# Altium PCB PCB_v4.PcbDoc (part 4 of 7)
Units mm, origin at the board's own origin, x right, y up, seen from the top; angles counter-clockwise.
Board outline 171.45 x 152.4 mm, 6 copper layers (Top Layer, Int1 (GND), Int2 (Sign), Int3 (Sign), Int4 (PWR), Bottom Layer), stack 1.551 mm thick; 408 components, 505 nets, 2356 pads, 897 vias.
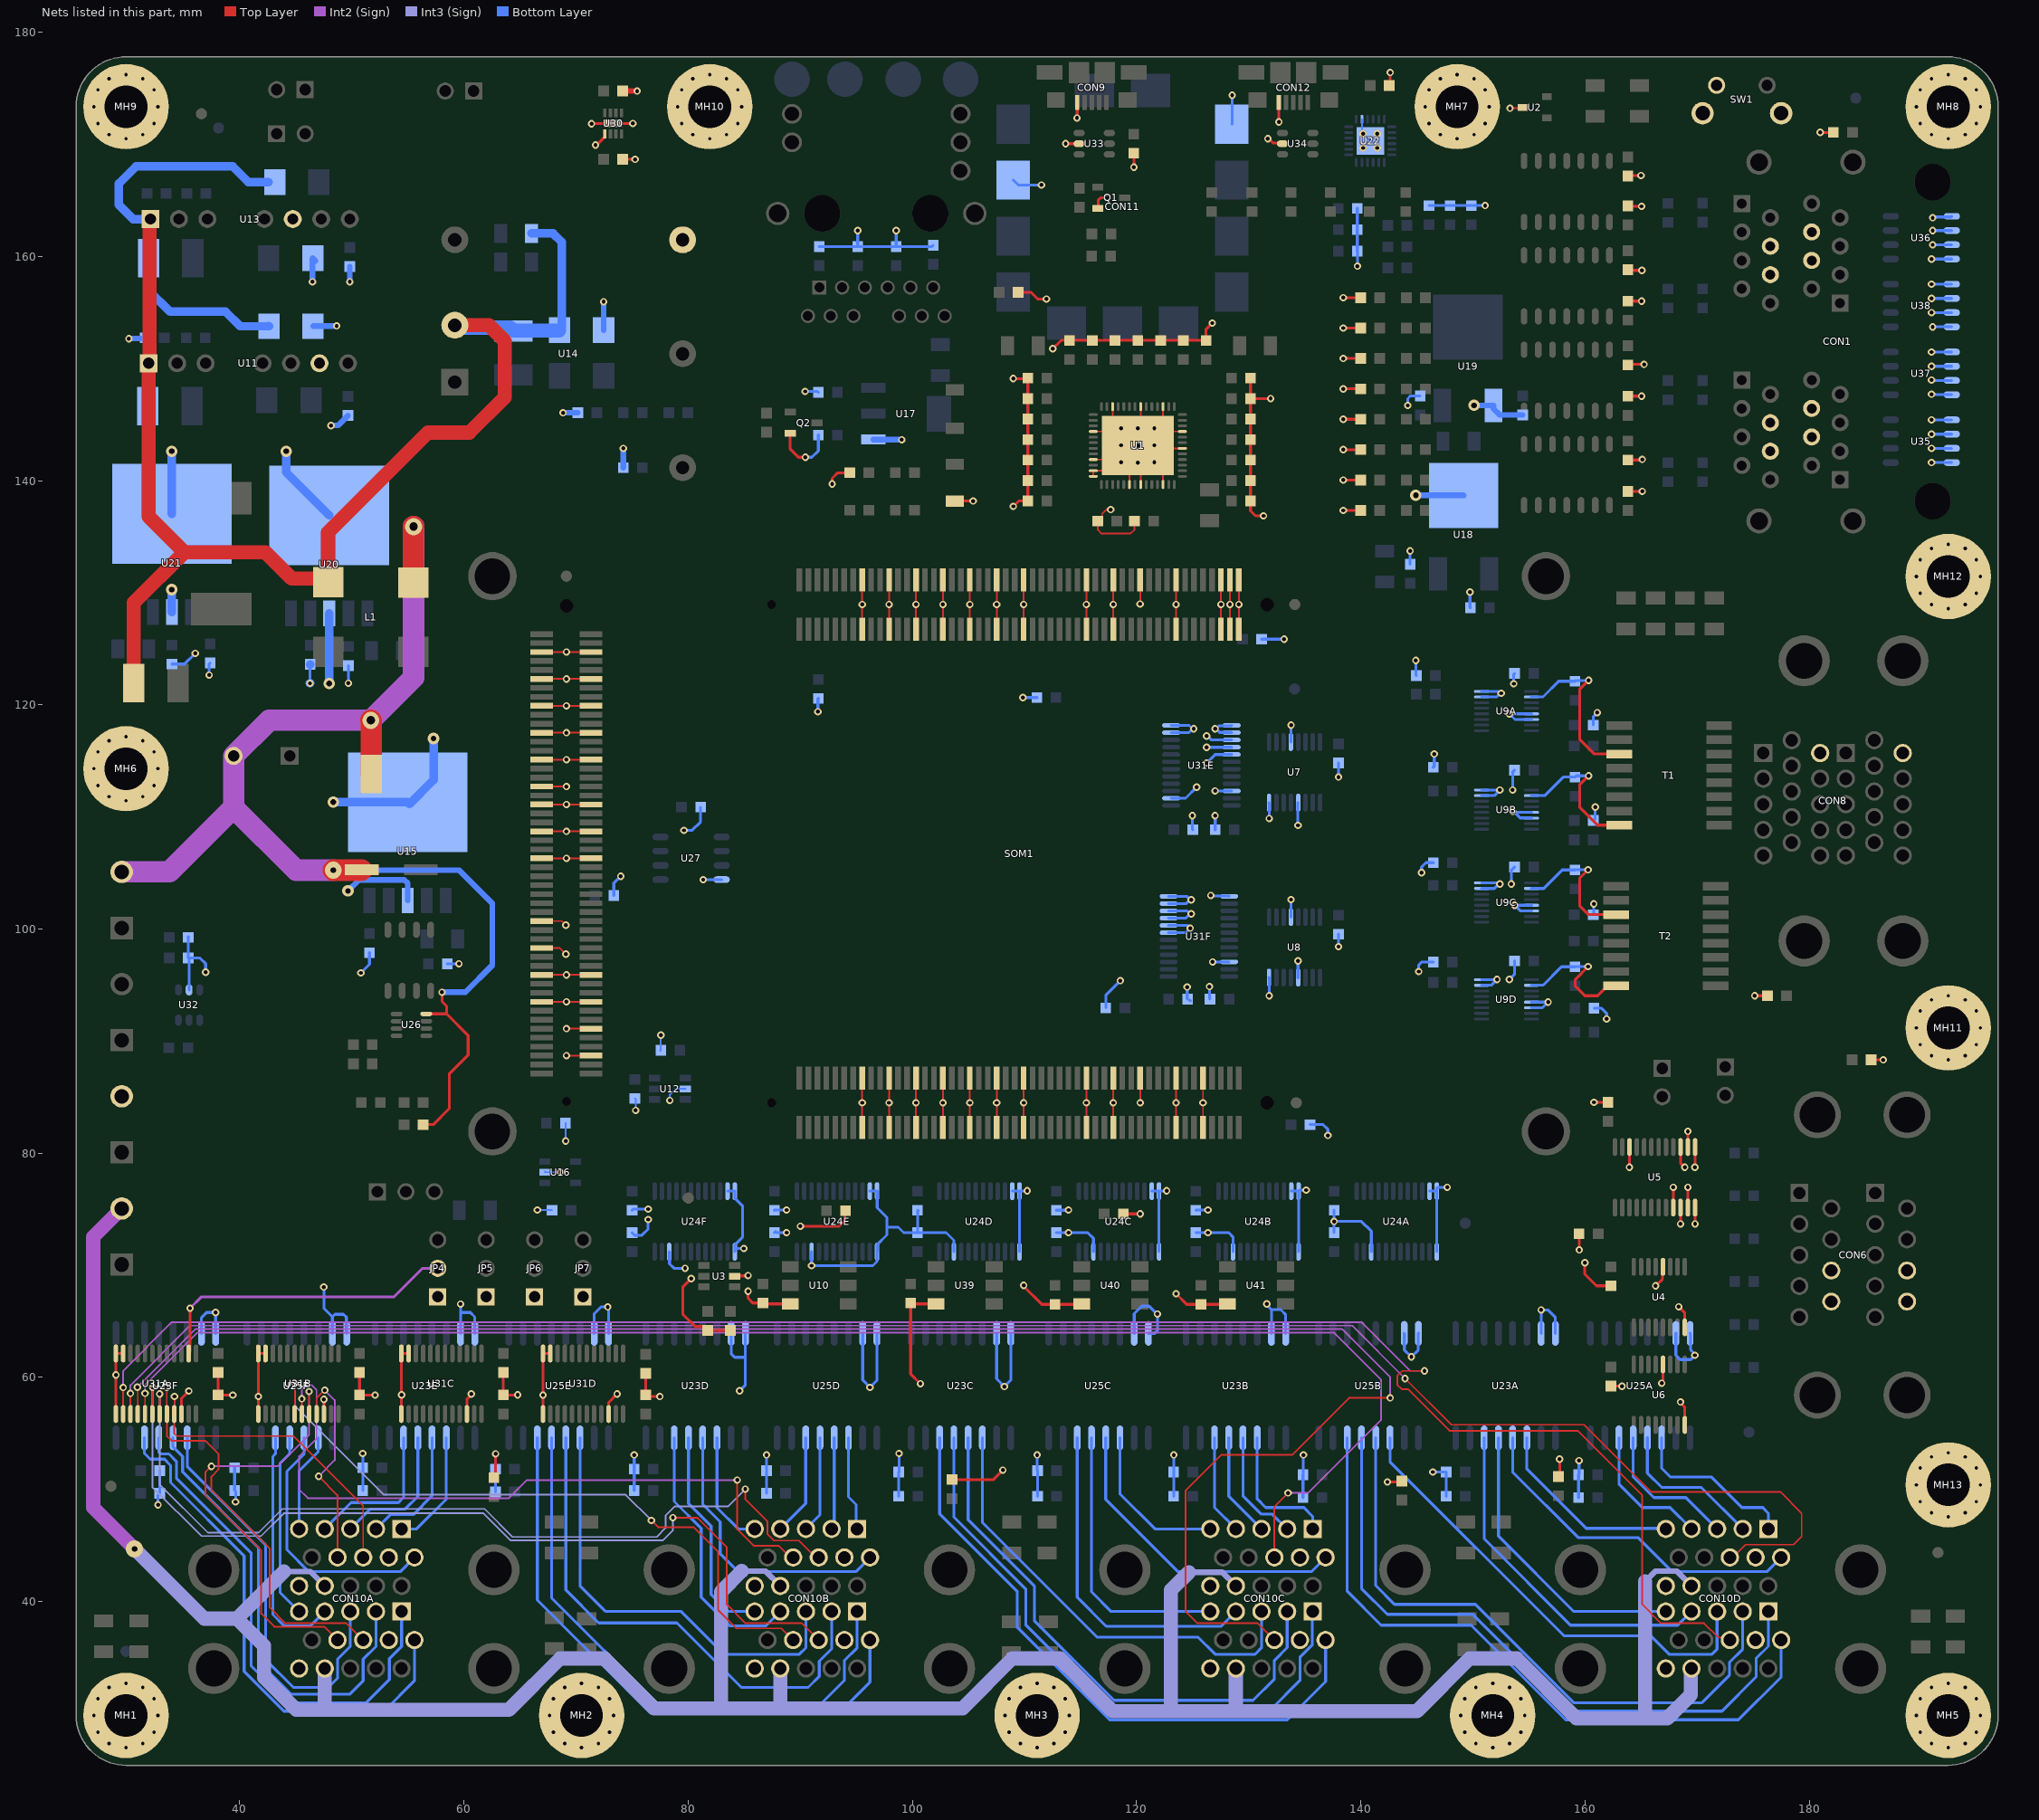
[diagram p8: the nets of this part, all layers, seen from the top]

## Via types
v1: diameter 0.66, hole 0.356, Top Layer to Bottom Layer, tented both sides, 808 vias
v2: diameter 1.016, hole 0.508, Top Layer to Bottom Layer, tented both sides, 72 vias
v3: diameter 0.66, hole 0.343, Top Layer to Bottom Layer, tented both sides, 7 vias
v4: diameter 1.524, hole 0.508, Top Layer to Bottom Layer, tented both sides, 7 vias
v5: diameter 1.524, hole 0.762, Top Layer to Bottom Layer, tented both sides, 2 vias
v6: diameter 2.032, hole 1.016, Top Layer to Bottom Layer, tented both sides, 1 vias

## Nets (pads, with @x,y where several pads share a name; then routed paths per layer and width w, separated by ;. In a path a pad name is that pad's centre, name@x,y a point inside that pad or via, vN(x,y) a via of type N, cw(c..) or ccw(c..) an arc to the next point about the centre after c; other vN are vias at no path point) (continued)
GND: C1.2 C2.2 C3.2 C4.2 C5.2 C6.2 C7.2 C8.2 C9.2 C10.2 C11.2 C12.2 C13.2 C14.2 C15.2 C16.2 C17.2 C18.2 C19.2 C20.2 C21.2 C22.2 C23.2 C24.1 C25.1 C26.2 C27.1 C28.1 C29.2 C30.2 C31.1 C32.1 C33.1 C34.1 C36.2 C39.1 C41.2 C43.2 C44.2 C45.2 C48.2 C50.1 C51.2 C52.2 C53.2 C54.2 C55.2 C56.2 C57.1 C58.1 C59.2 C60.2 C61.2 C62.2 C63.2 C64.2 C65.2 C66.2 C67.2 C68.1 C69.1 C70.1 C71A.2 C71B.2 C71C.2 C71D.2 C71E.2 C71F.2 C72A.2 C72B.2 C72C.2 C72D.2 C72E.2 C72F.2 C73A.2 C73B.2 C73C.2 C73D.2 C73E.2 C73F.2 C74A.1 C74B.1 C74C.1 C74D.1 C74E.1 C74F.1 C75A.2 C75B.2 C75C.2 C75D.2 C75E.2 C75F.2 C76A.2 C76B.2 C76C.2 C76D.2 C76E.2 C76F.2 C77A.2 C77B.2 C79A.2 C79B.2 C81A.2 C81B.2 C82A.1 C82B.1 C83.1 C84A.2 C84B.2 C85A.1 C85B.1 C86A.2 C86B.2 C87.1 C88A.2 C88B.2 C89.1 C90.1 C91.1 C92.1 C93A.2 C93B.2 C93C.2 C93D.2 C93E.2 C93F.2 C94A.2 C94B.2 C94C.2 C94D.2 C94E.2 C94F.2 C95.2 C96.2 C97A.1 C97B.1 C97C.1 C97D.1 C98A.1 C98B.1 C98C.1 C98D.1 C99.1 C100.1 C101.1 C102.1 C103.2 C104.1 C105.1 C106.1 C107.1 CON1.4A CON1.4B CON1.4C CON1.4D CON1.6A CON1.6B CON1.6C CON1.6D CON2.2 CON6.8B CON6.8T CON6.9B CON6.9T CON8.11A CON8.11B CON9.5 CON10A.7A CON10A.7B CON10A.15A CON10A.15B CON10B.7A CON10B.7B CON10B.15A CON10B.15B CON10C.7A CON10C.7B CON10C.15A CON10C.15B CON10D.7A CON10D.7B CON10D.15A CON10D.15B CON11.1 CON11.10 CON12.5 JP4.1 JP5.1 JP6.1 JP7.1 LED3.C MH1.1 MH2.1 MH3.1 MH4.1 MH5.1 MH6.1 MH7.1 MH8.1 MH9.1 MH10.1 MH11.1 MH12.1 MH13.1 Q1.2 Q2.2 R1.1 R8.1 R17.2 R18.1 R19A.1 R19B.1 R19C.1 R19D.1 R20.1 R21A.2 R21B.2 R21C.2 R21D.2 R38.2 R40.1 R45.1 R50.2 SOM1.JX1-15 SOM1.JX1-16 SOM1.JX1-21 SOM1.JX1-22 SOM1.JX1-27 SOM1.JX1-28 SOM1.JX1-33 SOM1.JX1-34 SOM1.JX1-39 SOM1.JX1-40 SOM1.JX1-45 SOM1.JX1-46 SOM1.JX1-51 SOM1.JX1-52 SOM1.JX1-65 SOM1.JX1-66 SOM1.JX1-71 SOM1.JX1-72 SOM1.JX1-77 SOM1.JX1-85 SOM1.JX1-86 SOM1.JX1-95 SOM1.JX1-96 SOM1.JX1-97 SOM1.JX1-98 SOM1.JX1-99 SOM1.JX1-100 SOM1.JX2-15 SOM1.JX2-16 SOM1.JX2-21 SOM1.JX2-22 SOM1.JX2-27 SOM1.JX2-28 SOM1.JX2-33 SOM1.JX2-34 SOM1.JX2-39 SOM1.JX2-40 SOM1.JX2-45 SOM1.JX2-46 SOM1.JX2-51 SOM1.JX2-52 SOM1.JX2-65 SOM1.JX2-66 SOM1.JX2-71 SOM1.JX2-72 SOM1.JX2-77 SOM1.JX2-85 SOM1.JX2-86 SOM1.JX2-91 SOM1.JX2-92 SOM1.JX3-6 SOM1.JX3-12 SOM1.JX3-17 SOM1.JX3-18 SOM1.JX3-23 SOM1.JX3-24 SOM1.JX3-29 SOM1.JX3-35 SOM1.JX3-49 SOM1.JX3-50 SOM1.JX3-55 SOM1.JX3-56 SOM1.JX3-61 SOM1.JX3-62 SOM1.JX3-65 SOM1.JX3-71 SOM1.JX3-72 SOM1.JX3-77 SOM1.JX3-78 SOM1.JX3-83 SOM1.JX3-84 SOM1.JX3-89 SOM1.JX3-90 SOM1.JX3-95 SOM1.JX3-96 SW1.2 SW1.SH TP4.1 U1.3 U1.7 U1.12 U1.18 U1.23 U1.25 U1.26 U1.32 U1.34 U1.38 U1.46 U1.49 U1.53 U2.3 U3.2 U4.8 U4.12 U5.9 U5.10 U5.11 U5.12 U5.13 U5.14 U5.15 U5.22 U6.8 U6.12 U7.4 U7.8 U7.12 U8.4 U8.8 U8.12 U9A.7 U9A.8 U9A.13 U9A.14 U9B.7 U9B.8 U9B.13 U9B.14 U9C.7 U9C.8 U9C.13 U9C.14 U9D.7 U9D.8 U9D.13 U9D.14 U10.6 U11.7 U12.2 U13.6 U14.4 U15.3 U15.6 U16.2 U17.1 U18.4 U19.1 U20.3 U20.6 U21.3 U21.6 U22.2 U22.25 U23A.7 U23A.8 U23B.7 U23B.8 U23C.7 U23C.8 U23D.7 U23D.8 U23E.7 U23E.8 U23F.7 U23F.8 U24A.11 U24A.12 U24A.13 U24A.22 U24B.11 U24B.12 U24B.13 U24B.22 U24C.11 U24C.12 U24C.13 U24C.22 U24D.11 U24D.12 U24D.13 U24D.22 U24E.11 U24E.12 U24E.13 U24E.22 U24F.11 U24F.12 U24F.13 U24F.22 U25A.7 U25A.8 U25B.7 U25B.8 U25C.7 U25C.8 U25D.7 U25D.8 U25E.7 U25E.8 U25F.7 U25F.8 U27.4 U30.5 U30.9 U31A.11 U31A.12 U31A.13 U31A.22 U31B.11 U31B.12 U31B.13 U31B.22 U31C.11 U31C.12 U31C.13 U31C.22 U31D.11 U31D.12 U31D.13 U31D.22 U31E.2 U31E.11 U31E.12 U31E.13 U31E.14 U31E.15 U31E.16 U31E.17 U31E.22 U31F.7 U31F.8 U31F.9 U31F.10 U31F.11 U31F.12 U31F.13 U31F.22 U32.2 U33.2 U34.2 U35.5 U35.6 U35.7 U35.8 U36.5 U36.6 U36.7 U36.8 U37.5 U37.6 U37.7 U37.8 U38.5 U38.6 U38.7 U38.8 U39.6 U40.6 U41.6 | length 920.7
  Top Layer w0.152: SOM1.JX3-17@66.932,93.508 v1(69.132,93.508) SOM1.JX3-18@71.332,93.508 ; SOM1.JX3-23@66.932,95.908 v1(69.132,95.908) SOM1.JX3-24@71.332,95.908 ; SOM1.JX3-29@66.932,98.308 68.514,98.308 69.06,97.762 v1(69.08,97.762) ; SOM1.JX3-35@66.932,100.708 68.71,100.708 v1(69.08,100.338) ; SOM1.JX3-49@66.932,106.308 SOM1.JX3-50@71.332,106.308 ; SOM1.JX3-55@66.932,108.708 SOM1.JX3-56@71.332,108.708 ; SOM1.JX3-61@66.932,111.108 SOM1.JX3-62@71.332,111.108 ; SOM1.JX3-65@66.932,112.708 v1(69.132,112.708) ; SOM1.JX3-71@66.932,115.108 SOM1.JX3-72@71.332,115.108 ; SOM1.JX3-77@66.932,117.508 SOM1.JX3-78@71.332,117.508 ; SOM1.JX3-83@66.932,119.908 SOM1.JX3-84@71.332,119.908 ; SOM1.JX3-89@66.932,122.308 SOM1.JX3-90@71.332,122.308 ; SOM1.JX3-95@66.932,124.708 SOM1.JX3-96@71.332,124.708 ; v1(69.132,88.708) SOM1.JX3-6@71.332,88.708 ; v1(69.132,91.108) SOM1.JX3-12@71.332,91.108 ; SOM1.JX2-16@95.518,82.296 v1(95.518,84.496) SOM1.JX2-15@95.518,86.696 ; SOM1.JX1-16@95.518,126.746 SOM1.JX1-15@95.518,131.146 ; SOM1.JX2-22@97.918,82.296 SOM1.JX2-21@97.918,86.696 ; SOM1.JX1-22@97.918,126.746 SOM1.JX1-21@97.918,131.146 ; SOM1.JX2-28@100.318,82.296 v1(100.318,84.496) SOM1.JX2-27@100.318,86.696 ; SOM1.JX1-28@100.318,126.746 SOM1.JX1-27@100.318,131.146 ; SOM1.JX2-34@102.718,82.296 v1(102.718,84.496) SOM1.JX2-33@102.718,86.696 ; SOM1.JX1-34@102.718,126.746 SOM1.JX1-33@102.718,131.146 ; SOM1.JX2-40@105.118,82.296 SOM1.JX2-39@105.118,86.696 ; SOM1.JX1-40@105.118,126.746 SOM1.JX1-39@105.118,131.146 ; SOM1.JX2-46@107.518,82.296 v1(107.518,84.496) SOM1.JX2-45@107.518,86.696 ; SOM1.JX1-46@107.518,126.746 SOM1.JX1-45@107.518,131.146 ; SOM1.JX2-52@109.918,82.296 v1(109.918,84.496) SOM1.JX2-51@109.918,86.696 ; SOM1.JX1-52@109.918,126.746 SOM1.JX1-51@109.918,131.146 ; SOM1.JX2-66@115.518,82.296 v1(115.518,84.496) SOM1.JX2-65@115.518,86.696 ; SOM1.JX1-66@115.518,126.746 SOM1.JX1-65@115.518,131.146 ; U1.26@116.13,140.379 116.13,140.854 116.156,140.879 117.855,140.879 U1.53@118.855,141.879 ; U1.23@116.156,141.879 U1.53@118.855,141.879 ; U1.18@116.156,144.379 U1.53@118.855,144.379 ; v1(117.69,137.414) 117.295,137.414 116.914,137.033 116.914,136.777 C10.2@116.535,136.398 116.535,135.604 116.855,135.283 119.458,135.283 119.811,135.636 C15.2@119.811,136.398 ; U1.12@117.855,146.583 117.855,145.379 U1.53@118.855,144.379 ; SOM1.JX2-72@117.918,82.296 v1(117.918,84.496) SOM1.JX2-71@117.918,86.696 ; SOM1.JX1-72@117.918,126.746 SOM1.JX1-71@117.918,131.146 ; U1.32@119.355,139.675 U1.53@119.355,142.379 ; v1(120.312,128.989) 120.318,128.995 SOM1.JX1-77@120.318,131.146 ; v1(120.318,84.496) SOM1.JX2-77@120.318,86.696 ; U1.34@120.355,139.675 U1.53@120.355,142.879 ; U1.7@120.355,146.583 U1.53@120.355,143.379 ; U1.38@122.355,139.675 122.355,140.879 U1.53@120.355,142.879 ; U1.3@122.355,146.583 122.355,145.379 U1.53@121.355,144.379 ; SOM1.JX2-86@123.518,82.296 v1(123.518,84.496) SOM1.JX2-85@123.518,86.696 ; SOM1.JX1-86@123.518,126.746 SOM1.JX1-85@123.518,131.146 ; U1.46@124.055,142.879 U1.53@120.355,142.879 ; U1.49@124.055,144.379 U1.53@121.355,144.379 ; SOM1.JX2-92@125.918,82.296 v1(125.918,84.496) SOM1.JX2-91@125.918,86.696 ; SOM1.JX1-96@127.518,126.746 v1(127.518,128.946) SOM1.JX1-95@127.518,131.146 ; SOM1.JX1-98@128.318,126.746 v1(128.318,128.946) SOM1.JX1-97@128.318,131.146 ; SOM1.JX1-100@129.118,126.746 v1(129.118,128.946) SOM1.JX1-99@129.118,131.146 ; v1(153.305,173.216) 154.364,173.216 U2.3@154.438,173.29 ; U1.53@118.855,141.879 U1.53@119.355,142.379 ; U1.53@118.855,144.379 v1(120.105,143.129) ; U1.53@119.355,142.379 v1(120.105,143.129) ; v1(120.105,143.129) U1.53@120.355,142.879 ; v1(120.105,143.129) U1.53@120.355,143.379 ; U1.53@120.355,143.379 U1.53@121.355,144.379
  Top Layer w0.254: U31A.13@28.945,56.736 28.95,56.742 v1(28.95,60.214) 28.95,62.13 U31A.12@28.945,62.136 U31A.11@29.595,62.136 ; U31A.22@34.795,56.736 34.795,58.132 v1(35.445,58.782) ; C94A.2@38.069,60.436 C93A.2@38.069,58.436 38.085,58.42 v1(39.37,58.42) ; U31B.13@41.645,56.736 41.65,56.742 41.65,62.13 U31B.12@41.645,62.136 U31B.11@42.295,62.136 ; U31B.22@47.495,56.736 47.496,56.738 47.496,58.037 v1(47.498,58.039) ; C94B.2@50.681,60.436 C93B.2@50.681,58.436 52.054,58.436 v1(52.07,58.42) ; U31C.13@54.405,56.736 54.419,56.75 54.419,58.422 v1(54.432,58.436) 54.419,58.45 54.419,62.122 U31C.12@54.405,62.136 U31C.11@55.055,62.136 ; U31C.22@60.255,56.736 60.255,58.036 60.645,58.425 v1(60.645,58.522) ; R21A.2@62.662,51.059 62.813,51.21 v1(62.813,53.182) ; C94C.2@63.508,60.436 C93C.2@63.508,58.436 v1(64.786,58.436) ; U31D.13@67.045,56.736 v1(67.045,58.42) U31D.12@67.045,62.136 U31D.11@67.695,62.136 ; v1(71.374,171.831) 71.386,171.843 73.291,171.843 U30.9@73.303,171.855 v1(75.057,171.855) ; v1(71.725,169.926) 71.819,169.926 72.553,170.66 U30.5@72.553,170.91 ; U31D.22@72.895,56.736 72.895,57.761 v1(73.656,58.522) ; C92.1@74.153,168.656 v1(75.257,168.656) ; C94D.2@76.208,60.364 C93D.2@76.208,58.436 76.351,58.293 v1(77.47,58.293) ; v1(80.264,68.81) 79.51,68.056 79.51,65.651 80.627,64.534 81.387,64.534 C103.2@81.735,64.186 82.751,64.186 ; 82.804,64.133 82.751,64.186 ; C26.2@83.767,64.186 82.751,64.186 ; U3.2@84.146,69.035 84.173,69.061 85.317,69.061 v1(85.344,69.088) ; v1(85.344,67.691) 85.344,67.056 85.765,66.635 C99.1@86.663,66.635 86.735,66.562 U10.6@89.089,66.562 ; Q2.2@89.097,144.211 89.097,142.817 89.833,142.081 v1(90.449,142.081) ; v1(90.006,73.486) 93.486,73.486 93.972,73.973 93.972,74.805 C104.1@94.035,74.867 ; v1(92.837,139.7) 92.837,140.208 93.331,140.702 LED3.C@94.414,140.702 ; v1(100.711,59.436) 99.845,60.302 C100.1@99.845,66.635 99.917,66.562 U39.6@102.089,66.562 ; R21B.2@103.532,50.888 107.225,50.888 v1(108.065,51.728) ; TP4.1@103.772,138.176 v1(105.41,138.176) ; v1(108.993,137.7) 109.468,138.176 C4.2@110.297,138.176 C8.2@110.297,140.004 C9.2@110.297,141.832 C21.2@110.297,143.659 C20.2@110.297,145.487 C13.2@110.297,147.315 C14.2@110.297,149.143 110.252,149.098 v1(108.993,149.098) ; R18.1@109.435,156.801 110.562,156.801 111.164,156.199 v1(111.95,156.199) ; v1(109.918,68.212) 109.918,68.134 111.54,66.512 C101.1@112.723,66.512 115.039,66.512 U40.6@115.089,66.562 ; v1(112.522,151.765) 113.261,152.504 C6.2@114.016,152.504 C7.2@116.046,152.504 C3.2@118.075,152.504 C5.2@120.105,152.504 C2.2@122.135,152.504 C11.2@124.165,152.504 C17.2@126.195,152.504 126.195,153.5 v1(126.746,154.051) ; v1(113.665,170.053) U33.2@114.868,170.053 ; v1(114.681,172.339) 114.692,172.35 114.692,173.717 CON9.5@114.702,173.728 ; Q1.2@116.536,164.283 116.564,164.31 116.564,165.001 116.796,165.233 v1(117.394,165.233) ; C105.1@118.806,74.588 v1(120.318,74.588) ; v1(119.752,167.95) R38.2@119.752,169.203 ; v1(123.518,67.461) 124.467,66.512 C102.1@125.747,66.512 128.039,66.512 U41.6@128.089,66.562 ; C23.2@130.161,149.143 C22.2@130.161,147.315 ; v1(131.318,136.852) 130.61,136.852 130.161,137.301 C18.2@130.161,138.176 C19.2@130.161,140.004 C1.2@130.161,141.832 C16.2@130.161,143.659 C12.2@130.161,145.487 C22.2@130.161,147.315 ; v1(131.699,170.498) 131.795,170.498 132.174,170.119 132.95,170.119 U34.2@133.016,170.053 ; v1(131.953,147.32) 130.166,147.32 C22.2@130.161,147.315 ; v1(132.685,171.991) CON12.5@132.685,173.609 ; v1(138.43,137.337) C79A.2@139.976,137.337 ; v1(138.43,140.048) C86A.2@139.976,140.048 ; v1(138.43,142.76) C79B.2@139.976,142.76 ; v1(138.43,145.471) C86B.2@139.976,145.471 ; v1(138.43,148.183) C77A.2@139.976,148.183 ; v1(138.43,150.894) C81A.2@139.976,150.894 ; v1(138.43,153.605) C77B.2@139.976,153.605 ; v1(138.43,156.317) C81B.2@139.976,156.317 ; v1(142.367,50.673) 143.575,50.673 R21C.2@143.654,50.753 ; R50.2@142.526,175.248 142.618,175.34 v1(142.618,176.403) ; R21D.2@157.619,51.146 157.734,51.261 v1(157.734,52.705) ; C29.2@159.468,72.817 159.48,72.805 v1(159.48,71.374) ; v1(159.981,70.231) 159.981,69.203 161.017,68.167 C27.1@162.305,68.167 ; v1(160.802,84.543) 161.965,84.543 162.004,84.582 C30.2@162.043,84.543 ; C28.1@162.305,59.227 163.273,59.227 v1(163.293,59.207) ; C88A.2@163.83,139.037 v1(165.1,139.037) ; C85A.1@163.83,141.835 165.044,141.835 v1(165.1,141.891) ; C88B.2@163.83,147.525 v1(165.044,147.525) ; C85B.1@163.83,150.323 163.875,150.368 v1(165.262,150.368) ; C84A.2@163.83,156.012 v1(165.044,156.012) ; C82A.1@163.83,158.81 163.89,158.75 v1(165.073,158.75) ; C84B.2@163.83,164.5 163.865,164.465 v1(165.044,164.465) ; C82B.1@163.83,167.171 163.874,167.215 v1(164.989,167.215) ; v1(163.957,78.74) 163.962,78.745 163.962,80.545 U5.22@163.968,80.551 ; v1(166.298,68.167) 166.92,68.789 166.92,69.839 U4.12@166.948,69.867 ; v1(166.839,59.476) 166.948,59.586 U6.12@166.948,61.16 ; U5.9@167.868,75.151 v1(167.868,76.962) ; v1(168.351,66.303) 168.898,65.756 U4.8@168.898,64.467 ; v1(168.518,57.813) 168.518,57.716 168.898,57.336 U6.8@168.898,55.76 ; v1(168.518,73.69) U5.10@168.518,75.151 ; U5.15@168.518,80.551 168.518,79.12 v1(168.898,78.74) ; U5.11@169.168,75.151 v1(169.168,76.962) ; U5.14@169.168,80.551 v1(169.168,81.943) ; v1(169.799,78.74) 169.808,78.749 169.808,80.541 U5.13@169.818,80.551 ; v1(169.818,73.69) U5.12@169.818,75.151 ; v1(175.133,94.043) R20.1@176.272,94.043 ; v1(180.975,171.057) R1.1@182.157,171.057 ; R17.2@185.516,88.328 v1(186.603,88.328)
  Top Layer w0.508: C91.1@74.153,174.752 v1(75.438,174.752)
  Bottom Layer w0.152: v1(66.539,74.93) 67.833,74.93 C54.2@67.849,74.914 ; U16.2@67.205,78.304 67.26,78.359 67.315,78.304 v1(68.58,78.304) ; C53.2@69.049,82.677 69.074,82.652 v1(69.074,81.095) ; C45.2@75.248,84.886 75.311,84.823 v1(75.311,83.82) ; C43.2@77.506,89.133 C43.2@77.555,89.182 v1(77.555,90.529) ; v1(78.359,84.709) 78.359,85.217 78.878,85.736 U12.2@79.755,85.736 ; U22.2@140.093,172.232 140.093,171.057 U22.25@140.843,170.307
  Bottom Layer w0.254: v1(32.703,48.641) 32.703,49.505 C73F.2@32.854,49.657 C72F.2@32.854,51.689 ; C64.2@33.944,123.629 35.068,123.629 v1(36.026,124.587) ; C25.1@35.413,99.314 35.372,99.273 C25.1@35.394,99.251 R8.1@35.394,97.409 ; U32.2@35.472,94.568 35.472,97.331 R8.1@35.394,97.409 ; U23F.7@36.576,63.93 36.576,65.334 37.027,65.784 v1(37.846,65.784) U23F.8@37.846,63.93 ; v1(36.957,96.139) 36.957,96.901 36.449,97.409 R8.1@35.394,97.409 ; v1(37.262,122.657) 37.262,123.651 C63.2@37.348,123.737 ; C75F.2@39.536,51.943 C76F.2@39.536,49.911 39.624,49.823 v1(39.624,48.895) ; v1@46.264,121.931 C61.2@46.264,123.599 ; v1(47.495,68.066) 47.495,66.176 48.26,65.411 ; U25F.7@48.26,63.93 48.26,65.411 ; U25F.8@49.53,63.93 49.502,63.958 49.502,65.376 49.248,65.63 48.479,65.63 48.26,65.411 ; v1(49.678,121.931) C62.2@49.678,123.502 ; v1(50.8,96.083) 51.57,96.853 C51.2@51.57,97.888 ; C73E.2@50.966,49.911 C72E.2@50.966,51.943 v1(50.966,53.213) ; C52.2@58.505,96.901 v1(59.547,96.901) ; U23E.7@59.69,63.93 59.69,65.784 ; v1(59.69,66.548) 59.69,65.784 ; U23E.8@60.96,63.93 60.952,63.938 60.952,65.411 60.579,65.784 59.69,65.784 ; C76E.2@62.813,49.784 C75E.2@62.813,51.816 v1(62.813,53.182) ; U25E.7@71.619,63.93 71.619,65.692 72.168,66.242 72.215,66.288 v1(72.816,66.288) 72.889,66.216 U25E.8@72.889,63.93 ; C83.1@73.367,102.997 73.367,104.098 v1(73.977,104.708) ; C71F.2@74.989,72.914 75.219,72.684 75.873,72.684 76.424,73.235 v1(76.424,74.083) ; C74F.1@74.989,74.914 75.09,75.015 v1(76.424,75.015) ; C73D.2@75.184,49.911 C72D.2@75.184,51.816 v1(75.184,53.086) ; U24F.22@78.302,71.214 78.33,71.186 78.33,70.124 78.722,69.731 v1(79.722,69.731) ; v3(79.62,108.808) 80.36,108.808 81.105,109.553 C107.1@81.105,110.871 ; v3(81.343,104.393) 82.97,104.393 U27.4@82.98,104.403 ; U24F.11@83.502,76.614 U24F.12@84.152,76.614 84.152,76.014 84.836,75.33 84.836,72.498 84.152,71.814 U24F.13@84.152,71.434 ; U23D.7@83.832,63.93 83.832,62.118 84.152,61.798 85.102,61.798 ; U24F.13@84.152,71.214 U24F.13@84.152,71.434 ; v1(84.582,58.801) 85.102,59.321 85.102,61.798 ; v1(84.963,71.501) 84.219,71.501 U24F.13@84.152,71.434 ; U23D.8@85.102,63.93 85.102,61.798 ; C76D.2@86.988,49.657 C75D.2@86.988,51.689 v1(86.988,53.086) ; C71E.2@87.689,72.914 87.789,73.015 87.89,72.914 v1(88.773,72.914) ; C74E.1@87.689,74.914 87.705,74.93 v1(88.773,74.93) ; v1(90.424,147.955) 91.52,147.955 C55.2@91.606,147.869 ; v1(90.449,142.081) 91.027,142.081 91.606,142.66 C56.2@91.606,144.059 ; U24E.22@91.002,71.214 v1(91.002,69.97) 96.475,69.97 96.84,70.334 96.84,71.17 96.824,71.186 U24E.13@96.852,71.214 96.852,71.835 97.726,72.709 97.726,73.4 ; v1(91.567,119.38) 91.567,120.523 C24.1@91.606,120.562 ; C33.1@91.694,160.87 C34.1@95.123,160.87 ; v1(95.123,162.306) C34.1@95.123,160.87 ; U25D.7@95.563,63.93 95.563,59.767 v1(96.217,59.112) 96.833,59.728 U25D.8@96.833,63.93 ; U24E.11@96.202,76.614 U24E.12@96.852,76.614 96.852,75.136 97.726,74.262 97.726,73.4 ; v1(98.552,162.306) 98.552,161.018 98.478,160.944 C32.1@98.552,160.87 ; C73C.2@98.784,49.403 C72C.2@98.784,51.562 98.806,51.584 v1(98.806,53.213) ; C74D.1@100.528,74.841 C74D.1@100.454,74.914 C71D.2@100.454,72.914 ; C31.1@101.852,160.997 101.725,160.87 C32.1@98.552,160.87 ; U24D.22@103.698,71.218 U24D.22@103.702,71.214 103.702,72.225 103.013,72.914 C71D.2@100.454,72.914 ; U23C.7@107.508,63.93 107.508,59.878 v1(108.204,59.182) 108.778,59.756 U23C.8@108.778,63.93 ; U24D.11@108.902,76.614 U24D.12@109.552,76.614 ; CON11.10@108.995,166.801 109.426,166.37 v1(111.506,166.37) ; U24D.13@109.552,71.214 U24D.12@109.552,76.614 ; v1@109.664,120.65 v1(109.855,120.65) 111.097,120.65 C106.1@111.1,120.647 ; v1(110.236,76.641) 110.209,76.614 U24D.12@109.552,76.614 ; v1(111.125,53.086) 111.125,51.728 C75C.2@111.164,51.689 C76C.2@111.164,49.403 ; C71C.2@112.835,72.914 v1(113.919,72.914) 115.628,72.914 116.147,72.395 U24C.22@116.148,71.214 ; C74C.1@112.835,74.914 113.903,74.914 v1(113.919,74.93) ; C87.1@117.248,92.964 117.248,94.092 v1(118.546,95.391) ; U25C.7@119.782,63.93 119.782,65.686 120.454,66.359 121.109,66.359 121.809,65.659 v1(121.856,65.659) 121.856,64.171 121.615,63.93 U25C.8@121.052,63.93 ; U24C.11@121.348,76.614 U24C.12@121.998,76.614 ; U24C.13@121.998,71.214 U24C.12@121.998,76.614 ; v1(122.682,76.641) 122.655,76.614 U24C.12@121.998,76.614 ; U31F.7@122.852,99.666 124.364,99.666 v1(124.774,100.076) 124.534,100.316 U31F.8@122.852,100.316 ; U31F.9@122.852,100.966 124.394,100.966 124.774,101.346 124.504,101.616 U31F.10@122.852,101.616 ; U31F.11@122.852,102.266 124.433,102.266 124.774,102.606 124.465,102.916 U31F.12@122.852,102.916 ; U31E.2@123.077,111.665 124.365,111.665 v1(125.349,112.649) ; U31E.11@123.077,117.515 124.658,117.515 124.999,117.856 124.69,118.165 U31E.12@123.077,118.165 ; C73B.2@123.302,49.403 C72B.2@123.302,51.562 123.317,51.577 v1(123.317,53.086) ; v1(124.506,94.823) 124.506,93.798 C94F.2@124.552,93.753 ; C94F.2@124.743,93.647 C94F.2@124.784,93.607 ; v1(124.968,110.109) 124.968,108.897 C94E.2@125.009,108.856 ; C71B.2@125.281,72.914 v1(126.365,72.914) 128.216,72.914 128.594,72.536 U24B.22@128.594,71.214 ; C74B.1@125.281,74.914 125.297,74.93 v1(126.365,74.93) ; v1(126.238,114.808) 126.995,115.565 U31E.17@128.477,115.565 ; v1(126.238,116.205) 126.243,116.21 128.472,116.21 U31E.16@128.477,116.215 ; v1(126.238,117.221) 126.334,117.221 126.69,116.865 U31E.15@128.477,116.865 ; v1(126.492,94.869) 126.492,93.812 C93F.2@126.552,93.753 ; v1(126.619,102.997) 126.673,102.943 128.224,102.943 U31F.13@128.252,102.916 ; v1(126.775,97.066) U31F.22@128.252,97.066 ; v1(127,110.109) 127.009,110.1 C93E.2@127.009,108.856 ; v1(127,112.315) U31E.22@128.477,112.315 ; U31E.14@128.477,117.515 128.449,117.543 127.409,117.543 127.096,117.856 127.377,118.137 128.449,118.137 U31E.13@128.477,118.165 ; CON11.1@128.495,171.801 128.524,171.83 v1(128.524,174.371) ; C89.1@131.152,125.857 v1(133.153,125.857) ; v1(131.616,66.562) 131.616,66.466 132.026,66.056 ; U8.8@131.811,95.666 131.819,95.658 131.819,94.051 v1(131.826,94.043) ; U7.8@131.811,111.273 131.819,111.266 131.819,109.862 v1(131.826,109.855) ; U23B.7@132.026,63.93 132.026,66.056 ; U23B.8@133.296,63.93 133.296,65.602 132.842,66.056 132.026,66.056 ; U8.12@133.761,101.066 133.766,101.071 133.766,102.618 v1(133.772,102.623) ; U7.12@133.761,116.673 133.772,116.683 133.772,118.176 v1(133.782,118.186) ; U24B.11@133.794,76.614 U24B.12@134.444,76.614 ; v1(134.389,109.242) 134.389,111.25 U7.4@134.411,111.273 ; U8.4@134.4,95.654 U8.4@134.411,95.666 134.4,95.677 v1(134.4,97.155) ; U24B.13@134.444,71.214 U24B.12@134.444,76.614 ; C76B.2@134.842,49.276 C75B.2@134.842,51.308 134.874,51.34 v1(134.874,53.086) ; v1(135.128,76.708) 134.511,76.708 134.444,76.641 U24B.12@134.444,76.614 ; C90.1@135.461,82.55 136.636,82.55 137.06,82.127 v1@137.06,81.586 ; C71A.2@137.616,72.914 v1(137.616,73.914) ; C74A.1@137.616,74.914 v1(137.616,73.914) ; C96.2@137.999,114.818 138.008,114.827 v1(138.008,113.55) ; v1(138.008,98.425) C95.2@138.008,99.539 ; C70.1@139.684,164.282 C69.1@139.684,162.377 C68.1@139.684,160.472 139.7,160.456 v1(139.7,159.131) ; U24A.22@140.929,71.214 140.929,73.041 140.057,73.914 v1(137.616,73.914) ; U25B.7@143.867,63.93 143.887,63.909 143.887,62.449 v1(144.505,61.831) 145.123,62.449 145.123,63.916 U25B.8@145.137,63.93 ; v1(144.181,146.706) 144.181,147.307 144.43,147.556 C60.2@145.288,147.556 ; C58.1@144.399,132.533 v1(144.399,133.731) ; v1(144.907,123.952) 144.907,122.648 C97A.1@144.946,122.609 ; v1(145.161,96.205) 145.161,96.795 145.415,97.049 C97D.1@146.47,97.049 ; v1(145.415,105.029) 145.415,105.532 145.796,105.913 C97C.1@146.47,105.913 ; C66.2@146.09,164.533 C67.2@147.955,164.533 C65.2@149.86,164.533 v1(151.09,164.533) ; U24A.11@146.129,76.614 U24A.12@146.779,76.614 ; v1(146.431,51.562) C72A.2@147.613,51.562 C73A.2@147.613,49.403 ; C97B.1@146.47,114.425 146.55,114.505 v1(146.55,115.611) ; U24A.13@146.779,71.214 U24A.12@146.779,76.614 ; v1(147.701,76.962) 146.847,76.962 146.779,76.895 U24A.12@146.779,76.614 ; v1(149.733,130.048) 149.733,128.69 C57.1@149.772,128.651 ; U9D.7@150.771,94.976 150.779,94.985 151.627,94.985 152.127,95.485 150.779,95.485 U9D.8@150.771,95.476 ; U9C.7@150.771,103.615 151.905,103.615 152.304,104.013 152.202,104.115 U9C.8@150.771,104.115 ; U9B.7@150.771,111.9 151.9,111.9 v1(152.4,112.4) U9B.8@150.771,112.4 ; U9A.7@150.771,120.694 152.093,120.694 152.431,121.031 152.268,121.194 U9A.8@150.771,121.194 ; v1(153.25,95.504) 153.721,95.975 C98D.1@153.721,97.155 ; v1(153.416,104.013) 153.416,105.232 C98C.1@153.721,105.537 ; v1(153.543,110.49) 153.639,110.49 v1@153.729,110.4 ; v1(153.543,112.4) 153.543,113.995 C98B.1@153.721,114.173 ; v1(153.639,121.881) 153.639,122.728 C98A.1@153.721,122.809 ; U9D.13@155.212,93.485 U9D.13@155.221,93.476 v1(156.709,93.476) 156.217,92.985 155.229,92.985 U9D.14@155.221,92.976 ; U9A.14@155.212,118.702 U9A.14@155.221,118.694 153.75,118.694 v1(153.25,119.194) U9A.13@155.221,119.194 ; U9C.14@155.221,101.615 155.212,101.623 154.212,101.623 v1(153.721,102.115) U9C.13@155.221,102.115 ; U9B.14@155.221,109.9 155.212,109.909 154.22,109.909 v1@153.729,110.4 ; U9B.13@155.221,110.4 v1@153.729,110.4 ; U23A.7@156.083,63.93 v1(156.083,66.019) 156.677,66.019 157.353,65.343 U23A.8@157.353,63.93 ; C76A.2@159.424,49.276 C75A.2@159.424,51.308 159.468,51.352 v1(159.468,52.578) ; R19C.1@160.743,101.28 160.782,101.319 v1(160.782,102.235) ; R19B.1@160.743,109.691 160.909,109.857 v1(160.909,110.871) ; R19A.1@160.743,118.193 160.743,118.96 v1(161.089,119.307) ; R19D.1@160.802,92.927 161.474,92.927 161.925,92.476 v1(161.925,91.976) ; U25A.7@168.102,63.93 168.102,61.971 168.478,61.595 169.422,61.595 169.731,61.904 169.731,62.14 169.422,62.449 169.422,63.88 U25A.8@169.372,63.93 ; v1(190.905,141.605) U35.8@192.717,141.605 ; v1(190.905,142.875) U35.7@192.717,142.875 ; v1(190.905,144.145) U35.6@192.717,144.145 ; v1(190.905,145.415) U35.5@192.717,145.415 ; v1(190.905,147.701) 190.947,147.659 U37.8@192.717,147.659 ; v1(190.905,148.971) 190.947,148.929 U37.7@192.717,148.929 ; v1(190.905,150.199) U37.6@192.717,150.199 ; v1(190.905,151.469) U37.5@192.717,151.469 ; v1(190.905,154.982) U38.7@192.717,154.982 ; v1(190.905,156.252) U38.6@192.717,156.252 ; v1(190.905,157.522) U38.5@192.717,157.522 ; v1(190.905,159.766) U36.8@192.717,159.766 ; v1(191.008,153.712) U38.8@192.717,153.712 ; v1(191.008,161.036) U36.7@192.717,161.036 ; v1(191.008,162.306) U36.6@192.717,162.306 ; v1(191.008,163.449) 191.071,163.512 192.654,163.512 U36.5@192.717,163.576 ; C34.1@95.123,160.87 C32.1@98.552,160.87 ; 97.726,73.4 98.728,73.4 99.214,72.914 C71D.2@100.454,72.914